# Altium PCB PRO2.PcbDoc (part 1 of 2)
Units mil, origin at the board's own origin, x right, y up, seen from the top; angles counter-clockwise.
Board outline 7000 x 3100 mil, 2 copper layers (Top Layer, Bottom Layer); 103 components, 180 nets, 670 pads, 125 vias.
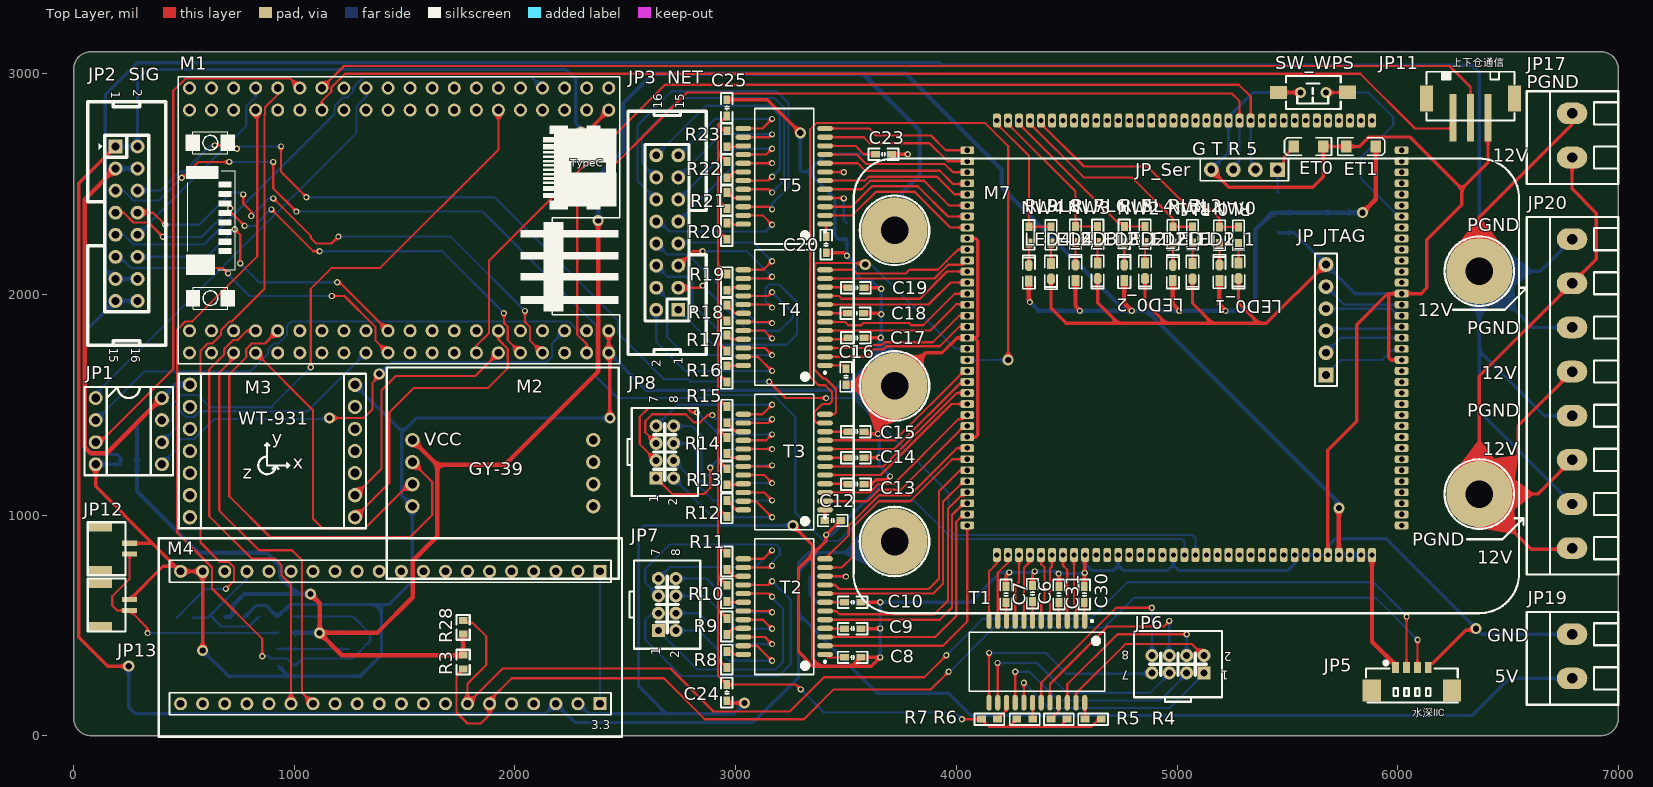
[diagram p0: Top Layer view]
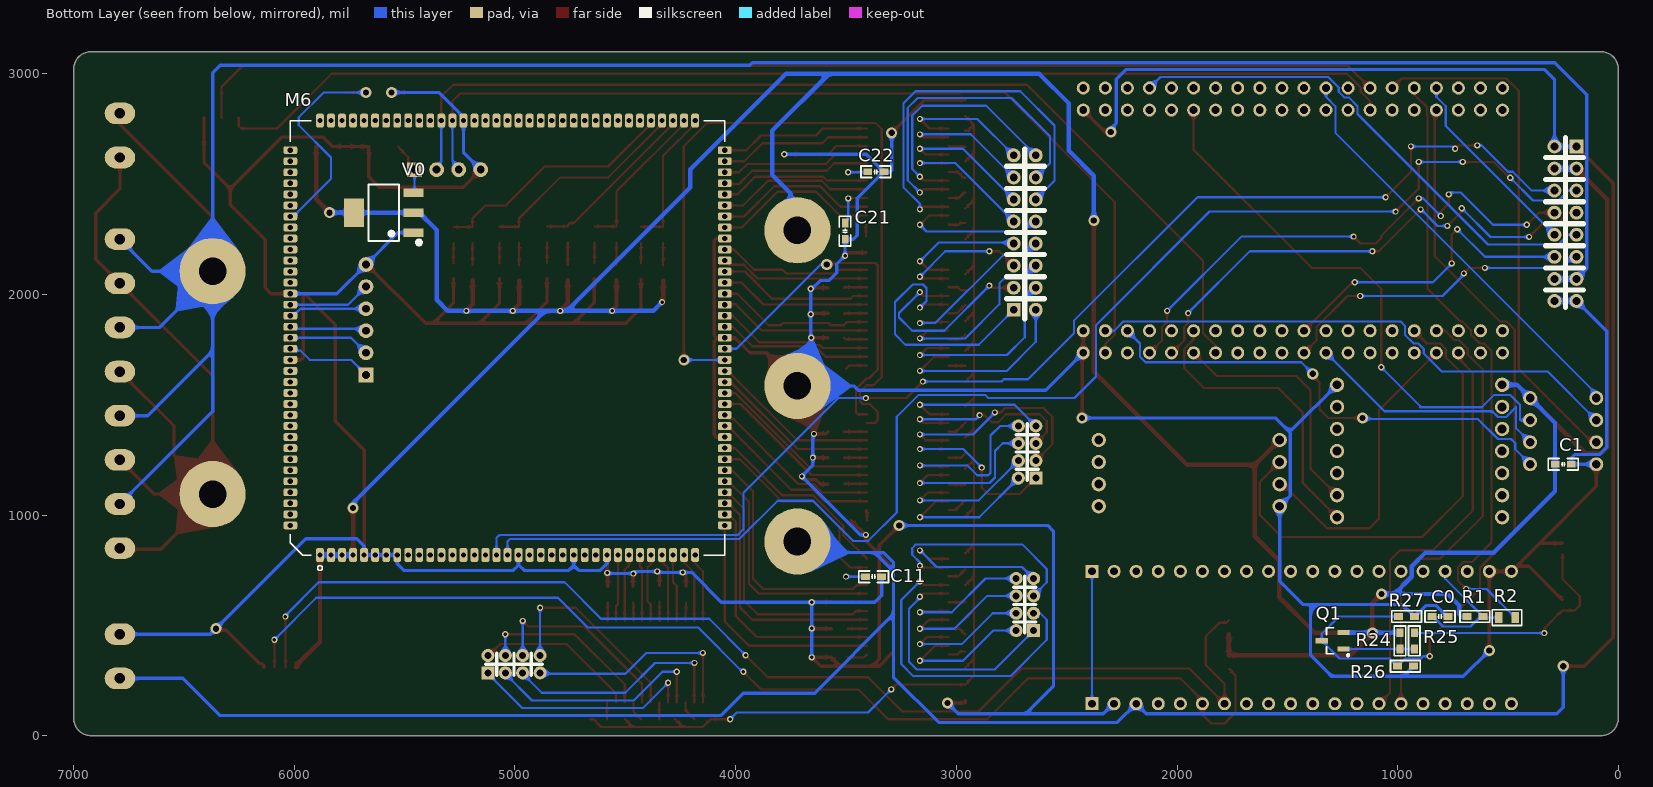
[diagram p1: Bottom Layer view, seen from below]

## Layer stack, top to bottom
Top Solder: solder mask 0.4, Solder Resist, Dk 3.5
Top Layer: signal copper 1.4
Dielectric 1: dielectric 12.6, FR-4, Dk 4.8
Bottom Layer: signal copper 1.4
Bottom Solder: solder mask 0.4, Solder Resist, Dk 3.5

## Board outline
80,0 cw(c80,80) 0,80 0,3020 cw(c80,3020) 80,3100 6920,3100 cw(c6920,3020) 7000,3020 7000,80 cw(c6920,80) 6920,0

## Design rules (kind name [scope] priority, off if disabled: settings)
Clearance [All] p1: gap=6 ignorepadtopadclearanceinfootprint=TRUE
PolygonConnect [All] p1: connectstyle=Relief reliefconductorwidth=10 reliefentries=4 polygonreliefangle="90 Angle" airgapwidth=10
RoutingVias RoutingVias_net [InNetClass('NET')] p1: holewidth=16 width=28 viastyle="Through Hole" minholewidth=12 minwidth=25 maxholewidth=20 maxwidth=35
RoutingVias [All] p2: holewidth=28 width=50 viastyle="Through Hole" minholewidth=12 minwidth=25 maxholewidth=400 maxwidth=1200
SolderMaskExpansion [All] p1: expansion=4
Width Width_gnd [InNet('GND')] p1: maxlimit=40 minlimit=8 preferedwidth=15 minimp=50.000000 maximp=50.000000 favimp=50.000000
Width Width_pgnd [InNet('PGND')] p2: maxlimit=40 minlimit=10 preferedwidth=15 minimp=50.000000 maximp=50.000000 favimp=50.000000
Width Width_5 [InNet('+5')] p3: maxlimit=40 minlimit=10 preferedwidth=15 minimp=50.000000 maximp=50.000000 favimp=50.000000
Width Width_12 [InNet('+12')] p4: maxlimit=40 minlimit=10 preferedwidth=15 minimp=50.000000 maximp=50.000000 favimp=50.000000
Width Width_3.3 [InNet('+3.3')] p5: maxlimit=40 minlimit=10 preferedwidth=20 minimp=50.000000 maximp=50.000000 favimp=50.000000
Width [All] p6: maxlimit=40 minlimit=8 preferedwidth=10 minimp=50.000000 maximp=50.000000 favimp=50.000000
30 further rules are at their usual default settings.

## Classes and differential pairs
component class PRO3: JP17 JP19 JP20 M7
component class PRO2: C6 C7 C8 C9 C10 C11 C12 C13 C14 C15 C16 C17 C18 C19 C20 C21 C22 C23 C24 C25 C30 C31 ET0 ET1 JP3 JP6 JP7 JP8 JP_JTAG JP_Ser LED0_1 LED0_2 LED1_1 LED1_2 LED2_1 LED2_2 LED3_1 LED3_2 LED4_1 LED4_2 M6 R4 R5 R6 R7 R8 R9 R10 R11 R12 R13 R14 R15 R16 R17 R18 R19 R20 R21 R22 R23 RL0 RL1 RL2 RL3 RL4 RL5 RL6 RL7 RL8 RL9 SW_WPS T1 T2 T3 T4 T5 V0
component class PRO1: C0 C1 JP1 JP2 JP5 JP11 JP12 JP13 M1 M2 M3 M4 Q1 R1 R2 R3 R24 R25 R26 R27 R28

## Components (designator, comment, footprint, x,y, rotation, side; value= is the part's Value field where it differs from the comment)
C0 "0.01uF" "C 0603_M" 808.46,540 r0 bottom
C1 "0.1uF" "C 0603_M" 250,1230 r0 bottom
C6 "0.1u" "C 0603_M" 4345.31,644.06 r270 top
C7 "0.1u" "C 0603_M" 4225,640 r270 top
C8 "0.1u" "C 0603_M" 3530,355 r180 top
C9 "0.1u" "C 0603_M" 3530,485 r180 top
C10 "0.1u" "C 0603_M" 3530,605 r180 top
C11 "0.1u" "C 0603_M" 3375,720.79 r0 bottom
C12 "0.1u" "C 0603_M" 3440,975 r180 top
C13 "0.1u" "C 0603_M" 3545.31,1140 r180 top
C14 "0.1u" "C 0603_M" 3545,1259.69 r180 top
C15 "0.1u" "C 0603_M" 3545,1377.8 r180 top
C16 "0.1u" "C 0603_M" 3500,1626.5 r90 top
C17 "0.1u" "C 0603_M" 3545,1803.1 r180 top
C18 "0.1u" "C 0603_M" 3543.15,1914.37 r180 top
C19 "0.1u" "C 0603_M" 3545,2030 r180 top
C20 "0.1u" "C 0603_M" 3410,2225 r90 top
C21 "0.1u" "C 0603_M" 3504.13,2286.5 r90 bottom
C22 "0.1u" "C 0603_M" 3365,2555 r0 bottom
C23 "0.1u" "C 0603_M" 3670,2635 r180 top
C24 "0.01u" "C 0603_M" 2960,195 r270 top
C25 "0.01u" "C 0603_M" 2960,2845 r90 top
C30 "0.1u" "C 0603_M" 4580,640 r270 top
C31 "0.1u" "C 0603_M" 4465,640 r270 top
ET0 "10uF/6.3V" "CD A(3216)" 5595,2670 r0 top
ET1 "22uF/6.3V" "CD A(3216)" 5833.57,2670 r180 top
JP1 "DIP-8插座" DIP-8座 100,1530 r0 top
JP2 "Header 8X2" IDC2.54-LI-2x8P 190,2670 r270 top
JP3 "Header 8X2" IDC2.54-LI-2x8P 2740,1930 r90 top
JP5 "HDR-1X4" "MX 1.25-LS-4P" 6065,220 r0 top
JP6 "水面" PHB2.0-LI-2x4P 5004.37,324.37 r180 top
JP7 "TX2" PHB2.0-LI-2x4P 2689.37,594.37 r90 top
JP8 "预留" PHB2.0-LI-2x4P 2679.37,1285.63 r90 top
JP11 "HDR-1X3" PH2.0-LS-3P 6330,2898.11 r0 top
JP12 "HDR-1X2" GH1.25 253.86,872.05 r270 top
JP13 "HDR-1X2" GH1.25 253.86,617.17 r270 top
JP17 "HDR-1X2" KF128-5.08-2P 6790,2720 r90 top
JP19 "HDR-1X2" KF128-5.08-2P 6790,360 r90 top
JP20 "HDR-1X8" KF128-5.08-8P 6790,1550 r90 top
JP_JTAG "HDR-1X6" HDR2.54-LI-6P 5675,1885 r90 top
JP_Ser "HDR-1X4" HDR2.54-LI-4P 5305,2565 r180 top
LED0_1 "白色" "LED 0603W" 5278.57,2106.1 r270 top
LED0_2 "白色" "LED 0603W" 5192.39,2098.1 r90 top
LED1_1 "红色" "LED 0603R" 5070,2105 r270 top
LED1_2 "红色" "LED 0603R" 4981.43,2096.9 r90 top
LED2_1 "蓝色" "LED 0603B" 4854.74,2106.5 r270 top
LED2_2 "蓝色" "LED 0603B" 4761.18,2098.4 r90 top
LED3_1 "绿色" "LED 0603G" 4640,2106.5 r270 top
LED3_2 "绿色" "LED 0603G" 4540,2098.4 r90 top
LED4_1 "黄色" "LED 0603Y" 4428.57,2104.6 r270 top
LED4_2 "黄色" "LED 0603Y" 4328.57,2096.5 r90 top
M1 "FK750M2-VBT6核心板" FK750M2-VBT6(精简版) 1475,2335 r0 top
M2 "GY-39" GY-39 1535,1340 r0 top
M3 "WT-931" WT-931 526.97,1590 r0 top
M4 "水深解算32" Deep_32 2071,1875 r0 top locked
M6 "HLK7621" HLK7621 5130,1820 r90 bottom locked
M7 "降压模块" 一号电压板 8320,-1070 r90 top locked
Q1 "SS8550" SOT23-3M 1245,430 r90 bottom
R1 "10K" "R 0603_M" 650,540 r0 bottom
R2 "330" "R 0805_L" 505,535 r0 bottom
R3 "RES" 0603R 1765,365 r270 top
R4 "75" "R 0603_M" 4620,75 r0 top
R5 "75" "R 0603_M" 4465,75 r0 top
R6 "75" "R 0603_M" 4310,75 r180 top
R7 "75" "R 0603_M" 4150,75 r180 top
R8 "75" "R 0603_M" 2960,345 r270 top
R9 "75" "R 0603_M" 2960,495 r90 top
R10 "75" "R 0603_M" 2960,645 r90 top
R11 "75" "R 0603_M" 2960,790 r90 top
R12 "75" "R 0603_M" 2960,1030 r270 top
R13 "75" "R 0603_M" 2960,1173.5 r90 top
R14 "75" "R 0603_M" 2960,1315 r90 top
R15 "75" "R 0603_M" 2960,1455 r90 top
R16 "75" "R 0603_M" 2960,1640 r270 top
R17 "75" "R 0603_M" 2960,1780 r270 top
R18 "75" "R 0603_M" 2960,1915 r270 top
R19 "75" "R 0603_M" 2960,2055 r90 top
R20 "75" "R 0603_M" 2960,2286.5 r270 top
R21 "75" "R 0603_M" 2960,2425 r270 top
R22 "75" "R 0603_M" 2960,2565 r90 top
R23 "75" "R 0603_M" 2960,2705 r90 top
R24 "27K" "R 0603_M" 990,430 r270 bottom
R25 "1K" "R 0603_M" 925,430 r90 bottom
R26 "1K" "R 0603_M" 965,315 r0 bottom
R27 "240" "R 0603_M" 960,540 r180 bottom
R28 "RES" 0603R 1765,460 r90 top
RL0 "4.7K" "R 0603_M" 5278.82,2268.1 r90 top
RL1 "4.7K" "R 0603_M" 5192.13,2268.1 r90 top
RL2 "4.7K" "R 0603_M" 5070.26,2270 r90 top
RL3 "4.7K" "R 0603_M" 4981.43,2270 r90 top
RL4 "4.7K" "R 0603_M" 4855,2271.5 r90 top
RL5 "4.7K" "R 0603_M" 4761.18,2271.5 r90 top
RL6 "4.7K" "R 0603_M" 4640.26,2271.5 r90 top
RL7 "4.7K" "R 0603_M" 4539.74,2271.5 r90 top
RL8 "4.7K" "R 0603_M" 4428.57,2269.6 r90 top
RL9 "4.7K" "R 0603_M" 4328.57,2269.6 r90 top
SW_WPS "3x6x5" "TSW SMD-3*6*2.5" 5615,2915 r180 top
T1 "SG24002G" SG24002G 4365,335 r270 top
T2 "SG24002G" SG24002G 3220,585 r180 top
T3 "SG24002G" SG24002G 3220,1240 r180 top
T4 "SG24002G" SG24002G 3220,1894.68 r180 top
T5 "SG24002G" SG24002G 3220,2535 r180 top
V0 "AMS1117-3V3" SOT223_M 5595,2370 r90 bottom

## Footprints (in the part's own frame and the unit in brackets; to place one, negate y for a bottom-side part, rotate by r counter-clockwise, add the part's x,y. Pads: shape width x height; smd on the part's side, far side on the other; paste and mask are expansions set on the pad)
0603R [mm]
  rect 0.8x0.965 smd: 1(0,0) 2(1.6,0)
  silkscreen extent -0.63,-0.76 2.21,0.76, body extent -0.04,-0.41 1.56,0.41, height 0.45
"C 0603_M" [mil] "无极性贴片电容"
  rect 40x30 smd: 1(-36.5,0) 2(36.5,0)
  silkscreen extent -68,-26 68,26, body extent -31,-16 31,16, height 32
"CD A(3216)" [mm] "长3.2mm，宽1.6mm，厚1.6mm"
  rect 1.2x1.4 smd: 1(-1.7,0) 2(1.7,0)
  silkscreen extent -2.74,-1.02 2.67,1.02, body extent -1.6,-0.8 1.6,0.8, height 1.6
Deep_32 [mm]
  rect 1.5x1.5 hole 0.9: 1(7.976,-28.702) 40(7.976,-43.942)
  round 1.5 hole 0.9: 2(5.436,-28.702) 3(2.896,-28.702) 4(0.356,-28.702) 5(-2.184,-28.702) 6(-4.724,-28.702) 7(-7.264,-28.702) 8(-9.804,-28.702) 9(-12.344,-28.702) 10(-14.884,-28.702) 11(-17.424,-28.702) 12(-19.964,-28.702) 13(-22.504,-28.702) 14(-25.044,-28.702) 15(-27.584,-28.702) 16(-30.124,-28.702) 17(-32.664,-28.702) 18(-35.204,-28.702) 19(-37.744,-28.702) 20(-40.284,-28.702) 21(-40.284,-43.942) 22(-37.744,-43.942) 23(-35.204,-43.942) 24(-32.664,-43.942) 25(-30.124,-43.942) 26(-27.584,-43.942) 27(-25.044,-43.942) 28‘(-22.504,-43.942) 29(-19.964,-43.942) 30(-17.424,-43.942) 31(-14.884,-43.942) 32(-12.344,-43.942) 33(-9.804,-43.942) 34(-7.264,-43.942) 35(-4.724,-43.942) 36(-2.184,-43.942) 37(0.356,-43.942) 38(2.896,-43.942) 39(5.436,-43.942)
  silkscreen extent -42.8,-47.75 10.52,-24.89
DIP-8座 [mm]
  round 1.6 hole 1: 1(0,0) 2(0,-2.54) 3(0,-5.08) 4(0,-7.62) 5(7.62,-7.62) 6(7.62,-5.08) 7(7.62,-2.54) 8(7.62,0)
  silkscreen extent -1.27,-8.89 8.89,1.27
FK750M2-VBT6(精简版) [mm]
  round 1.5 hole 0.9: 1(24.13,-12.7) 2(24.13,-15.24) 3(21.59,-12.7) 4(21.59,-15.24) 5(19.05,-12.7) 6(19.05,-15.24) 7(16.51,-12.7) 8(16.51,-15.24) 9(13.97,-12.7) 10(13.97,-15.24) 11(11.43,-12.7) 12(11.43,-15.24) 13(8.89,-12.7) 14(8.89,-15.24) 15(6.35,-12.7) 16(6.35,-15.24) 17(3.81,-12.7) 18(3.81,-15.24) 19(1.27,-12.7) 20(1.27,-15.24) 21(-1.27,-12.7) 22(-1.27,-15.24) 23(-3.81,-12.7) 24(-3.81,-15.24) 25(-6.35,-12.7) 26(-6.35,-15.24) 27(-8.89,-12.7) 28(-8.89,-15.24) 29(-11.43,-12.7) 30(-11.43,-15.24) 31(-13.97,-12.7) 32(-13.97,-15.24) 33(-16.51,-12.7) 34(-16.51,-15.24) 35(-19.05,-12.7) 36(-19.05,-15.24) 37(-21.59,-12.7) 38(-21.59,-15.24) 39(-24.13,-12.7) 40(-24.13,-15.24) 41(24.13,15.24) 42(24.13,12.7) 43(21.59,15.24) 44(21.59,12.7) 45(19.05,15.24) 46(19.05,12.7) 47(16.51,15.24) 48(16.51,12.7) 49(13.97,15.24) 50(13.97,12.7) 51(11.43,15.24) 52(11.43,12.7) 53(8.89,15.24) 54(8.89,12.7) 55(6.35,15.24) 56(6.35,12.7) 57(3.81,15.24) 58(3.81,12.7) 59(1.27,15.24) 60(1.27,12.7) 61(-1.27,15.24) 62(-1.27,12.7) 63(-3.81,15.24) 64(-3.81,12.7) 65(-6.35,15.24) 66(-6.35,12.7) 67(-8.89,15.24) 68(-8.89,12.7) 69(-11.43,15.24) 70(-11.43,12.7) 71(-13.97,15.24) 72(-13.97,12.7) 73(-16.51,15.24) 74(-16.51,12.7) 75(-19.05,15.24) 76(-19.05,12.7) 77(-21.59,15.24) 78(-21.59,12.7) 79(-24.13,15.24) 80(-24.13,12.7)
  silkscreen extent -25.4,-16.51 25.4,16.51, body extent -25.4,-16.51 25.4,16.51, height 8.36
GH1.25 [mm]
  rect 1x2.8 smd: 0(-1.85,-3.4) 0(3.1,-3.4)
  rect 0.6x1.7 smd: 1(0,0) 2(1.25,0)
  silkscreen extent -2.41,-4.83 3.68,-0.48
GY-39 [mil]
  round 65 hole 40: 1(0,0) 2(0,-100) 3(0,-200) 4(0,-300) 5(820,-300) 6(820,-200) 7(820,-100) 8(820,0)
  silkscreen extent -116,-628 936,328
HDR2.54-LI-4P [mm] "排针，4脚"
  rect 1.7x1.7 hole 0.9: 1(-3.81,0)
  round 1.7 hole 0.9: 2(-1.27,0) 3(1.27,0) 4(3.81,0)
  silkscreen extent -5.08,-1.27 5.08,1.27, body extent -5.08,-1.27 5.08,1.27, height 8.5
HDR2.54-LI-6P [mm] "排针，6脚"
  rect 1.7x1.7 hole 0.9: 1(-6.35,0)
  round 1.7 hole 0.9: 2(-3.81,0) 3(-1.27,0) 4(1.27,0) 5(3.81,0) 6(6.35,0)
  silkscreen extent -7.62,-1.27 7.62,1.27, body extent -7.62,-1.27 7.62,1.27, height 8.5
HLK7621 [mm]
  rrect50% 1.6x0.9 hole 0.6: 1(-25.429,19.141) 2(-25.429,17.871) 3(-25.429,16.601) 4(-25.429,15.331) 5(-25.429,14.061) 6(-25.429,12.791) 7(-25.429,11.521) 8(-25.429,10.251) 9(-25.429,8.981) 10(-25.429,7.711) 11(-25.429,6.441) 12(-25.429,5.171) 13(-25.429,3.901) 14(-25.429,2.631) 15(-25.429,1.361) 16(-25.429,0.091) 17(-25.429,-1.179) 18(-25.429,-2.449) 19(-25.429,-3.719) 20(-25.429,-4.989) 21(-25.429,-6.259) 22(-25.429,-7.529) 23(-25.429,-8.799) 24(-25.429,-10.069) 25(-25.429,-11.339) 26(-25.429,-12.609) 27(-25.429,-13.879) 28(-25.429,-15.149) 29(-25.429,-16.419) 30(-25.429,-17.689) 31(-25.429,-18.959) 32(-25.429,-20.229) 33(-25.429,-21.499) 34(-25.429,-22.769) 35(-25.429,-24.039) 71(24.571,-24.039) 72(24.571,-22.769) 73(24.571,-21.499) 74(24.571,-20.229) 75(24.571,-18.959) 76(24.571,-17.689) 77(24.571,-16.419) 78(24.571,-15.149) 79(24.571,-13.879) 80(24.571,-12.609) 81(24.571,-11.339) 82(24.571,-10.069) 83(24.571,-8.799) 84(24.571,-7.529) 85(24.571,-6.259) 86(24.571,-4.989) 87(24.571,-3.719) 88(24.571,-2.449) 89(24.571,-1.179) 90(24.571,0.091) 91(24.571,1.361) 92(24.571,2.631) 93(24.571,3.901) 94(24.571,5.171) 95(24.571,6.441) 96(24.571,7.711) 97(24.571,8.981) 98(24.571,10.251) 99(24.571,11.521) 100(24.571,12.791) 101(24.571,14.061) 102(24.571,15.331) 103(24.571,16.601) 104(24.571,17.871) 105(24.571,19.141)
  rrect50% 0.9x1.6 hole 0.6: 36(-22.019,-27.449) 37(-20.749,-27.449) 38(-19.479,-27.449) 39(-18.209,-27.449) 40(-16.939,-27.449) 41(-15.669,-27.449) 42(-14.399,-27.449) 43(-13.129,-27.449) 44(-11.859,-27.449) 45(-10.589,-27.449) 46(-9.319,-27.449) 47(-8.049,-27.449) 48(-6.779,-27.449) 49(-5.509,-27.449) 50(-4.239,-27.449) 51(-2.969,-27.449) 52(-1.699,-27.449) 53(-0.429,-27.449) 54(0.841,-27.449) 55(2.111,-27.449) 56(3.381,-27.449) 56(3.381,-27.449) 57(4.651,-27.449) 58(5.921,-27.449) 59(7.191,-27.449) 60(8.461,-27.449) 61(9.731,-27.449) 62(11.001,-27.449) 63(12.271,-27.449) 64(13.541,-27.449) 65(14.811,-27.449) 66(16.081,-27.449) 67(17.351,-27.449) 68(18.621,-27.449) 69(19.891,-27.449) 70(21.161,-27.449) 106(21.161,22.551) 107(19.891,22.551) 108(18.621,22.551) 109(17.351,22.551) 110(16.081,22.551) 111(14.811,22.551) 112(13.541,22.551) 113(12.271,22.551) 114(11.001,22.551) 115(9.731,22.551) 116(8.461,22.551) 117(7.191,22.551) 118(5.921,22.551) 119(4.651,22.551) 120(3.381,22.551) 121(2.111,22.551) 122(0.841,22.551) 123(-0.429,22.551) 124(-1.699,22.551) 125(-2.969,22.551) 126(-4.239,22.551) 127(-5.509,22.551) 128(-6.779,22.551) 129(-8.049,22.551) 130(-9.319,22.551) 131(-10.589,22.551) 132(-11.859,22.551) 133(-13.129,22.551) 134(-14.399,22.551) 135(-15.669,22.551) 136(-16.939,22.551) 137(-18.209,22.551) 138(-19.479,22.551) 139(-20.749,22.551) 140(-22.019,22.551)
  silkscreen extent -27.21,-27.45 24.57,22.55
IDC2.54-LI-2x8P [mm] "16P简易牛角座"
  rect 1.6x1.6 hole 0.9: 1(0,0)
  round 1.6 hole 0.9: 2(0,2.54) 3(2.54,0) 4(2.54,2.54) 5(5.08,0) 6(5.08,2.54) 7(7.62,0) 8(7.62,2.54) 9(10.16,0) 10(10.16,2.54) 11(12.7,0) 12(12.7,2.54) 13(15.24,0) 14(15.24,2.54) 15(17.78,0) 16(17.78,2.54)
  silkscreen extent -5.14,-3.2 22.89,5.8, body extent -5.08,-3.08 22.86,5.77, height 9.17
KF128-5.08-2P [mm] "螺钉式接线端子，脚距5.08mm"
  oval 2.5x3.5 hole 1.2: 1(-2.54,0) 2(2.54,0)
  silkscreen extent -5.59,-5.31 5.08,5.21, body extent -5.58,-5.3 5.08,5.2, height 14.15
KF128-5.08-8P [mm] "螺钉式接线端子，脚距5.08mm"
  oval 2.5x3.5 hole 1.2: 1(-17.78,0) 2(-12.7,0) 3(-7.62,0) 4(-2.54,0) 5(2.54,0) 6(7.62,0) 7(12.7,0) 8(17.78,0)
  silkscreen extent -20.83,-5.31 20.32,5.21, body extent -20.82,-5.3 20.32,5.2, height 14.15
"LED 0603B" [mil] "蓝色0603LED"
  rect 50x35 smd: 1(-35,0.26)
  oct 50x35 smd: 2(35,0.26)
  silkscreen extent -71,-28 81,28, body extent -31,-16 32,16, height 24
"LED 0603G" [mil] "绿色0603LED"
  rect 50x35 smd: 1(-35,0.26)
  oct 50x35 smd: 2(35,0.26)
  silkscreen extent -71,-28 81,28, body extent -31,-16 32,16, height 18
"LED 0603R" [mil] "红色0603LED"
  rect 50x35 smd: 1(-35,0.26)
  oct 50x35 smd: 2(35,0.26)
  silkscreen extent -71,-28 81,28, body extent -31,-16 31,16, height 18
"LED 0603W" [mil] "白色0603LED"
  rect 50x35 smd: 1(-35,0.26)
  oct 50x35 smd: 2(35,0.26)
  silkscreen extent -71,-28 81,28, body extent -31,-16 32,16, height 18
"LED 0603Y" [mil] "黄色0603LED"
  rect 50x35 smd: 1(-35,0)
  oct 50x35 smd: 2(35,0)
  silkscreen extent -71,-28 81,28, body extent -32,-16 31,16, height 18
"MX 1.25-LS-4P" [mm] "长：9.75m，宽：3.7mm，高：4.7mm"
  rect 2.1x2.5 smd: 0(-4.632,-0.381) 0(4.604,-0.381)
  rect 0.8x1.3 smd: 1(-1.889,2.261) 2(-0.639,2.261) 3(0.611,2.261) 4(1.861,2.261)
  silkscreen extent -5.29,-1.78 5.27,2.99, body extent -5.07,-1.6 5.07,2.5, height 4.7
PH2.0-LS-3P [mm] "长：10mm，宽：5.5mm，高：6.1mm"
  rect 1.5x3 smd: 0(-5.064,-0.254) 0(5.064,-0.254)
  rect 0.8x5.5 smd: 1(-2,-2.492) 2(0,-2.492) 3(2,-2.492)
  silkscreen extent -5.06,-2.79 5.06,2.79, body extent -5,-5.05 5,2.75, height 6.15
PHB2.0-LI-2x4P [mm] "长：10mm，宽：7.3mm，高：7.8mm"
  rect 1.5x1.5 hole 0.8: 1(-3,1)
  round 1.5 hole 0.8: 2(-3,-1) 3(-1,1) 4(-1,-1) 5(1,1) 6(1,-1) 7(3,1) 8(3,-1)
  silkscreen extent -5.08,-3.81 5.08,4.32, body extent -5,-3.65 5,4.25, height 7.83
"R 0603_M" [mil] "1/10W贴片电阻"
  rect 40x31.5 smd: 1(-36.5,0) 2(36.5,0)
  silkscreen extent -68,-26 68,26, body extent -31,-16 31,16, height 16
"R 0805_L" [mil] "1/8W贴片电阻"
  rect 35x50 smd: 1(-37.4,0) 2(37.4,0)
  silkscreen extent -67,-36 67,36, body extent -39,-25 39,25, height 20
SG24002G [mm] "SOP, 24-Leads, Body 15.10x7.10mm, Pitch 1.00mm, IPC Medium Density"
  oval 1.8x0.6 smd: 1(-4.7,5.5) 2(-4.7,4.5) 3(-4.7,3.5) 4(-4.7,2.5) 5(-4.7,1.5) 6(-4.7,0.5) 7(-4.7,-0.5) 8(-4.7,-1.5) 9(-4.7,-2.5) 10(-4.7,-3.5) 11(-4.7,-4.5) 12(-4.7,-5.5) 13(4.7,-5.5) 14(4.7,-4.5) 15(4.7,-3.5) 16(4.7,-2.5) 17(4.7,-1.5) 18(4.7,-0.5) 19(4.7,0.5) 20(4.7,1.5) 21(4.7,2.5) 22(4.7,3.5) 23(4.7,4.5) 24(4.7,5.5)
  silkscreen extent -4.82,-7.8 3.4,7.8, body extent -3.8,-7.8 3.8,7.8, height 4.5
SOT23-3M [mm] "3x1.3x1mm(长宽高)"
  rect 0.6x1.4 smd: 1(-0.95,0) 2(0.95,0) 3(0,2.514)
  silkscreen extent -1.78,-0.63 1.5,1.97, body extent -1.5,0.07 1.5,2.47, height 1.05
SOT223_M [mm] "6.4x7x1.6mm(长宽高)"
  rect 0.95x2.3 smd: 1(-2.3,-3.429) 2(0,-3.429) 3(2.3,-3.429)
  rect 3.3x2.3 smd: 2(0,3.429)
  silkscreen extent -3.63,-4.26 3.25,1.75, body extent -3.25,-3.51 3.25,3.51, height 1.65
"TSW SMD-3*6*2.5" [mm] "3*6*2.5mm"
  rect 2x1.5 smd: 1(-3.996,-0.02) 2(3.937,0)
  silkscreen extent -3.21,-1.9 3.09,1.9, body extent -4,-1.88 4,1.62, height 2.59
WT-931 [mil]
  round 65 hole 40: 1(0,0) 2(0,-100) 3(0,-200) 4(0,-300) 5(0,-400) 6(0,-500) 7(0,-600) 8(748.03,-600) 9(748.03,-500) 10(748.03,-400) 11(748.03,-300) 12(748.03,-200) 13(748.03,-100) 14(748.03,0)
  silkscreen extent -50,-650 798,50
一号电压板 [mil]
  round 300 hole 125: 1(1950,4600) 2(2655,4600) 3(3360,4600) 4(2165,1950) 5(3175,1950)
  silkscreen extent 1625,1770 3685,4786, body extent 1844,1857 3466,4693, height 593

## Part data
C0 C1 C6 C7 C8 C9 C10 C11 C12 C13 C14 C15 C16 C17 C18 C19 C20 C21 C22 C23 C24 C25 C30 C31: library part C, "无极性贴片电容"
  C0 C1 C6 C13: BOM名称=无极性贴片电容, 学习资源=www.ooocke.com, 版权归属=源创客
ET0 ET1: library part C-CD, "贴片钽电容"
JP2 JP3: "8*2P接插件", BOM名称=8*2P接, 学习资源=www.ooocke.
JP5 JP_Ser: library part "Header 4", "4P接插件"
  JP5: BOM名称=4P接, 学习资源=www.ooocke.
  JP_Ser: BOM名称=4P接插件, 学习资源=www.ooocke.com, 版权归属=源创客
JP6 JP7 JP8: library part "Header 4X2", "4*2P接插件", BOM名称=4*2P接, 学习资源=www.ooocke.
JP11: library part "Header 3", "3P接插件", BOM名称=3P接, 学习资源=www.ooocke.
JP12 JP13 JP17 JP19: library part "Header 2", "2P接插件"
  JP12 JP13: BOM名称=2P接, 学习资源=www.ooocke.
JP20: library part "Header 8", "8P接插件"
JP_JTAG: library part "Header 6", "6P接插件", BOM名称=6P接插件, 学习资源=www.ooocke.com, 版权归属=源创客
LED0_1 LED0_2 LED1_1 LED1_2 LED2_1 LED2_2 LED3_1 LED3_2 LED4_1 LED4_2: library part LED-SMD, "贴片LED", BOM名称=贴片LED, 学习资源=www.ooocke.com, 版权归属=源创客
M1: library part FK750M2-VBT6
M2: "气压温湿度光强传感器"
M3: "WT-931姿态角度传感器"
M4: library part Deep_32, "水深传感器解算用的stm32模块"
M7: library part 一号电压板
Q1: library part 8550-SMD, "高频放大-PNP型", BOM名称=高频放大, 学习资源=www.ooocke., 属性="40V 1.5A 1W 100MH"
R1 R2 R4 R5 R6 R7 R8 R9 R10 R11 R12 R13 R14 R15 R16 R17 R18 R19 R20 R21 R22 R23 R24 R25 R26 R27 RL0 RL1 RL2 RL3 RL4 RL5 RL6 RL7 RL8 RL9: library part R, "贴片电阻"
SW_WPS: library part "TSW 3x6", "3x6轻触开关", BOM名称=3x6轻触开关, 学习资源=www.ooocke.com, 版权归属=源创客
V0: library part AMS1117, "三端稳压芯片", BOM名称=稳压芯片, 学习资源=www.ooocke.com, 版权归属=源创客

## Via types
v1: diameter 28, hole 16, Top Layer to Bottom Layer, 106 vias
v2: diameter 50, hole 28, Top Layer to Bottom Layer, 19 vias

## Nets (pads, with @x,y where several pads share a name; then routed paths per layer and width w, separated by ;. In a path a pad name is that pad's centre, name@x,y a point inside that pad or via, vN(x,y) a via of type N, cw(c..) or ccw(c..) an arc to the next point about the centre after c; other vN are vias at no path point)
+3.3: C1.2 ET1.1 JP1.8 JP2.3 JP2.4 JP5.1 LED0_2.1 LED1_2.1 LED2_2.1 LED3_2.1 LED4_2.1 M2.1 M3.1 M6.1 M6.2 M6.3 M6.4 M7.3 Q1.2 R1.2 R3.1 R24.1 R28.1 V0.2 | length 17444
  Top Layer w20: JP2.3@190,2570 50,2430 50,1307 77,1280 150,1280 JP1.8@400,1530 ; v2(1073,642) 1115,600 v2(1115,465) 1215,365 R3.1@1765,365 R28.1@1765,460 ; v2@1131,467.4 1377.4,467.4 1537,627 1537,793 1648,904 1648,1227 ; M2.1@1535,1340 1648,1227 ; v2(2377,2335) 2377,1650.5 1953.5,1227 1648,1227 ; LED4_2.1@4328.57,2061.5 4328.57,1972.16 4333.57,1967.16 v1(4333.57,1965) ; LED3_2.1@4539.74,2063.4 4539.74,1947.42 4560,1927.16 v1(4560,1925) ; LED2_2.1@4760.92,2063.4 4760.92,1959.08 v1(4795,1925) ; LED1_2.1@4981.17,2061.9 4981.17,1955.99 5010,1927.16 v1(5010,1925) ; LED0_2.1@5192.13,2063.1 5192.13,1955.03 5220,1927.16 v1(5220,1925) ; M6.4@5733.57,818.85 5733.57,1031.02 v2(5734,1031.46) ; v2(5840,2370) 5900.5,2430.5 ET1.1@5900.5,2670 ; M6.1@5883.57,818.85 5883.57,425.91 5990.64,318.84 JP5.1@5990.64,309
  Bottom Layer w20: JP2.3@190,2570 JP2.4@290,2570 ; M3.1@526.97,1590 460,1590 JP1.8@400,1530 287.4,1417.4 287.4,1107.6 565,830 874,830 937,767 937,720 1015,642 ; R1.2@686.5,540 711,540 721,550 721,590 773,642 1015,642 ; 1073,467 R24.1@990.5,467 ; v2(1073,642) 1015,642 ; Q1.2@1245,467.4 990.9,467.4 R24.1@990.5,467 ; v2(2377,2335) 2377,2537.56 2490,2650.56 2490,2865 2625,3000 3576.5,3000 ; M7.3@3720,2290 3751.84,2321.84 3751.84,2458.28 3835,2541.44 3835,2741.5 3576.5,3000 ; v1(4333.57,1965) 4373.57,1925 v1(4560,1925) 4765,1925 ; M6.4@5733.57,818.85 M6.3@5783.57,818.85 M6.2@5833.57,818.85 M6.1@5883.57,818.85 ; v2(5734,1031.46) 5734,1055 4864,1925 ; v2(5840,2370) V0.2@5730,2370 V0.2@5460,2370 5433.43,2370 5355,2291.57 5355,1975 5305,1925 v1(5220,1925) v1(5010,1925) 4864,1925 ; R24.1@990.5,467 990,467 R24.1@990,466.5 R24.1@990.5,467 ; 3576.5,3000 3771.9,3000 4205,2566.9 4205,2485 4765,1925 ; 4765,1925 v1(4795,1925) 4864,1925
+5: JP2.1 JP2.2 JP19.1 M1.42 M4.38 M7.1 | length 13667.7
  Top Layer w15: JP2.1@190,2670 24,2504 24,446 155,315 v2(250,315) ; v2(2300,2735) 2325,2735 M1.42@2425,2835
  Bottom Layer w15: JP2.1@190,2670 JP2.2@290,2670 290,2974 335,3019 2230,3019 2275,2974 2275,2776.26 2300,2751.26 v2(2300,2735) ; v2(250,315) 250,129 280,99 2139,99 M4.38@2185,145 2270,60 3080,60 3285,265 3285,550 ; M7.1@3720,880 3670,830 3370,830 ; JP19.1@6790,260 6505.05,260 6337.05,92 5964,92 4066,92 3965,193 3642,193 3285,550 ; 3285,550 3285,745 ; 3285,745 3285,787 3328,830 3370,830 ; 3285,745 3370,830
+5T: ET0.1 JP_Ser.1 V0.3 | length 241.8
  Top Layer w10: JP_Ser.1@5455,2565 5483.46,2593.46 5483.46,2621.46 5528.07,2666.06 ET0.1@5528.07,2670
  Bottom Layer w10: JP_Ser.1@5455,2565 5455,2465.55 V0.3@5460,2460.55
+12: JP17.1 JP20.1 JP20.3 JP20.5 JP20.7 M7.4 | length 3558.9
  Top Layer w15: JP20.1@6790,850 6785,845 6605,845 6355,1095 6635,1095 JP20.3@6790,1250 ; JP20.5@6790,1650 6545,1405 6545,1270 M7.4@6370,1095 6370,1615 6370,1630 JP20.7@6790,2050 6900,2160 6900,2367.83 6790,2477.83 JP17.1@6790,2620
"BK1 C\S\": JP1.1 M1.63 | length 1912.4
  Bottom Layer w10: JP1.1@100,1530 100,1550 1282.47,2732.47 1282.47,2852.62 1325,2895.14 M1.63@1325,2935
"BK1 CLK": JP1.6 M1.24 | length 1190.8
  Bottom Layer w10: JP1.6@400,1330 463.47,1393.47 463.47,1490.85 481.47,1472.85 481.47,1471.15 508.12,1444.5 545.81,1444.5 571.31,1470 ; 572.47,1471.15 571.31,1470 ; M1.24@1325,1735 1060,1470 571.31,1470
"BK1 DI(IO0)": JP1.5 M1.5 | length 2203
  Top Layer w10: v2(1160,1440) 1315,1440 1355,1480 1355,1600 1385,1630 v2(1385,1640)
  Bottom Layer w10: JP1.5@400,1230 467.6,1297.6 467.6,1325 487.1,1344.5 545.81,1344.5 636.81,1435.5 1155.5,1435.5 v2(1160,1440) ; v2(1385,1640) 1437.47,1692.47 2142.62,1692.47 2167.53,1717.38 2167.53,1777.53 M1.5@2225,1835
"BK1 DO(IO1)": JP1.2 M1.3 | length 2463.4
  Bottom Layer w10: JP1.2@100,1430 320,1650 800.14,1650 882.47,1732.33 882.47,1752.62 907.38,1777.53 927.67,1777.53 967.53,1817.38 967.53,1857.58 987.47,1877.53 2242.62,1877.53 2285.14,1835 M1.3@2325,1835
"BK1 H\O\L\D\(IO3)": JP1.7 M1.52 | length 2510
  Top Layer w10: v1(1075,1670) 1075,2024.86 1170.14,2120 1390,2120 1925,2655 M1.52@1925,2835
  Bottom Layer w10: JP1.7@400,1430 445.47,1430 445.47,1498.3 491.66,1544.5 562.27,1544.5 618.77,1488 898,1488 898,1493 v1(1075,1670)
"BK1 W\P\(IO2)": JP1.3 M1.69 | length 2363.2
  Top Layer w10: JP1.3@100,1330 120,1330 452,1662 452,2922.14 507.38,2977.53 982.47,2977.53 M1.69@1025,2935
GND: C0.1 C1.1 C6.1 C7.1 C8.1 C9.1 C10.1 C11.1 C12.1 C13.1 C14.1 C15.1 C16.1 C17.1 C18.1 C19.1 C20.1 C21.1 C22.1 C23.1 C24.2 C25.2 C30.1 C31.1 ET0.2 ET1.2 JP1.4 JP2.15 JP2.16 JP5.4 JP11.3 JP12.1 JP13.1 JP19.2 JP_JTAG.6 JP_Ser.4 LED0_1.2 LED1_1.2 LED2_1.2 LED3_1.2 LED4_1.2 M1.1 M1.2 M2.4 M3.14 M4.19 M4.20 M4.39 M6.5 M6.6 M6.7 M6.8 M6.19 M6.24 M6.27 M6.44 M6.53 M6.62 M6.92 M6.119 M6.125 M7.2 R26.1 R27.2 SW_WPS.2 V0.1 | length 31943.1
  Top Layer w15: JP1.4@100,1230 100,1130 355,875 ; JP13.1@253.86,617.17 405.15,768.46 461.54,768.46 ; JP12.1@253.86,872.05 352.05,872.05 355,875 ; v2(585,386) M4.19@585,745 M4.20@485,745 461.54,768.46 ; M1.1@2425,1835 M1.2@2425,1735 2430,1730 v2(2430,1440) ; C24.2@2960,158.5 2960,148 v2(3040,148) ; C25.2@2960,2881.5 2960,2882 3143,2882 v2(3293,2732) ; v2(3259,953) 3349,863 3349,822.5 ; C20.1@3410,2188.5 3490.63,2188.5 v1(3504.13,2175) ; C12.1@3476.5,975 3411.5,910 v1(3410,910) 3410,883.5 3349,822.5 ; C16.1@3500,1590 M7.2@3715,1590 ; C9.1@3566.5,485 3653.43,485 v1(3655,486.57) ; C10.1@3566.5,605 3654.69,605 v1(3655,604.69) ; C18.1@3579.65,1914.37 3652.11,1914.37 3656.48,1910 v1(3660,1910) ; C14.1@3581.5,1259.69 3581.81,1260 v1(3650,1260) ; C15.1@3581.5,1377.8 3591.5,1367.8 v1(3645,1367.8) 3645,1510 M7.2@3720,1585 M7.2@3715,1590 ; C17.1@3581.5,1803.1 v1(3657.55,1803.1) ; C19.1@3581.5,2030 3655,2030 v1(3660,2025) ; C13.1@3581.81,1140 3616.01,1140 3617.58,1141.57 3636.51,1160.5 3685.5,1160.5 v1(3700,1175) ; C23.1@3706.5,2635 v1(3780,2635) ; M6.44@4049.31,1353.1 4087.1,1353.1 4097,1363 4097,1787 4080.9,1803.1 ; M6.62@4049.31,2253.1 4087,2253.1 4097,2243.1 4097,1813.1 4087,1803.1 4080.9,1803.1 ; C7.1@4225,676.5 4225,725 v1(4240,740) ; C6.1@4345.31,680.56 4345.31,731.03 4355,740.71 v1(4355,744.23) ; LED4_1.2@4428.57,2069.6 4428.57,1938.82 4495,1872.39 4495,1868.79 4733.57,1868.79 ; v1(4463.43,735) 4465,733.43 C31.1@4465,676.5 ; C30.1@4580,676.5 4580,736.3 v1(4581.54,737.83) 4581.54,816.82 M6.27@4583.57,818.85 ; LED3_1.2@4640.26,2071.5 4640.26,1962.1 4733.57,1868.79 ; LED2_1.2@4855,2071.5 4855,1963.79 4950,1868.79 ; LED1_1.2@5070.26,2070 5070.26,1958.53 5160,1868.79 ; JP_Ser.4@5155,2565 5235,2485 5615,2485 5661.93,2531.93 ET0.2@5661.93,2670 ET1.2@5766.64,2670 5827.39,2670 5870.45,2713.06 6055.08,2713.06 6290.31,2477.83 ; LED0_1.2@5278.82,2071.1 5278.82,1959.96 5370,1868.79 ; SW_WPS.2@5460,2915 v2(5560,2915) ; JP_JTAG.6@5675,2135 5671.21,2135 5405,1868.79 5370,1868.79 ; M6.5@5683.57,818.85 5683.57,1293.57 5815,1425 5815,1863.1 5955.95,2004.05 ; M6.125@6017.82,1703.1 5968.79,1703.1 5960,1711.89 5960,2000 5963.1,2003.1 M6.119@6017.82,2003.1 6106,2003.1 6132,2029.1 6132,2247 6290.31,2405.31 6290.31,2477.83 ; JP5.4@6138.28,309 6138.28,318.84 6146.52,327.09 6156.37,327.09 6307.58,478.3 6348.3,478.3 v2(6355,485) ; JP11.3@6408.74,2800 6408.74,2596.27 6290.31,2477.83 ; 355,875 461.54,768.46 ; 3349,822.5 3285,758.5 3285,380 3350,315 3381,315 ; 3349,822.5 3349,347 3381,315 ; 3381,315 3526.5,315 ; 3526.5,315 3615,315 v1(3655,355) C8.1@3566.5,355 3526.5,315 ; M7.2@3715,1590 3860,1735 3935,1735 4003.1,1803.1 M6.53@4049.31,1803.1 4080.9,1803.1 ; 4733.57,1868.79 4950,1868.79 ; 4950,1868.79 5160,1868.79 ; 5160,1868.79 5370,1868.79
  Bottom Layer w15: JP1.4@100,1230 212.6,1230 212.6,1260.4 199,1274 86,1274 53,1307 53,1833 JP2.15@190,1970 JP2.16@290,1970 ; v2(585,386) 702,269 974.5,269 ; C0.1@771.96,540 776.96,540 825,588.04 825,590 873.5,590 R27.2@923.5,540 978.5,595 985,595 ; R26.1@928.5,315 974.5,269 ; 961,571 985,595 ; M3.14@1275,1590 1477,1388 1503,1388 ; M4.39@2285,145 2289,145 2335,99 2685,99 ; M1.2@2425,1735 2595,1565 3445,1565 3465,1585 M7.2@3720,1585 3645,1660 3657.55,1672.55 v1(3657.55,1803.1) 3660,1805.55 v1(3660,1910) v1(3660,2025) 3654.13,2025 3616.63,2062.5 3577.5,2062.5 3541.63,2098.37 3541.63,2137.5 v1(3504.13,2175) C21.1@3504.13,2250 3467,2250 3448.5,2268.5 3448.5,2435 C22.1@3328.5,2555 ; v2(2430,1440) 1555,1440 1503,1388 ; v2(3040,148) 2991,99 2685,99 ; v2(3259,953) 2586,953 2560,927 2560,224 2685,99 ; v2(3293,2732) 3293,2563 3301,2555 C22.1@3328.5,2555 ; C11.1@3338.5,720.79 3338.5,636.5 3370.31,604.69 v1(3655,604.69) ; v1(3410,910) 3435,910 v1(3700,1175) 3650,1225 v1(3650,1260) 3650,1372.8 v1(3645,1367.8) ; v1(3655,355) v1(3655,486.57) v1(3655,604.69) ; v1(3780,2635) 3408.5,2635 C22.1@3328.5,2555 ; v1(4581.54,737.83) 4578.7,735 v1(4463.43,735) 4454.2,744.23 v1(4355,744.23) 4350.77,740 v1(4240,740) 4200,740 4064.69,604.69 v1(3655,604.69) ; M6.27@4583.57,818.85 4583.57,779 4613.57,749 4710,749 4733,772 ; M6.24@4733.57,818.85 4733.57,772.57 4733,772 ; 4983.57,773.57 4959,749 4756,749 4733,772 ; M6.19@4983.57,818.85 4983.57,773.6 5008.17,749 5503.57,749 5533.57,779 M6.8@5533.57,818.85 M6.7@5583.57,818.85 M6.6@5633.57,818.85 M6.5@5683.57,818.85 5683.57,859 5717.57,893 5947,893 v2(6355,485) 6380,460 JP19.2@6790,460 ; JP_Ser.4@5155,2565 5233.57,2643.57 M6.92@5233.57,2787.36 5233.57,2801.87 5250.35,2818.65 5250.35,2820.08 5345.27,2915 v2(5560,2915) ; V0.1@5460,2279.45 5530.55,2279.45 JP_JTAG.6@5675,2135 5806.9,2003.1 M6.119@6017.82,2003.1 ; 974.5,269 975,268.5 1298.5,268.5 1299,269 ; 974.5,269 1299,269 ; 985,595 1365,595 ; 1299,269 1395,365 1395,565 ; 1365,595 1380,595 ; 1365,595 1395,565 ; 1380,595 1431,595 1535,699 M2.4@1535,1040 1487,1088 1487,1372 1503,1388 ; 1380,595 1395,580 1395,565
NetC0_2: C0.2 M4.17 R1.1 R2.2 | length 618.1
  Bottom Layer w10: R2.2@542.4,535 608.5,535 R1.1@613.5,540 ; M4.17@785,745 785,711.5 R1.1@613.5,540 ; C0.2@844.96,540 839.96,540 795.24,495.28 795.24,495 670,495 625,540 R1.1@613.5,540
NetC6_2: C6.2 T1.7 | length 95
  Top Layer w10: T1.7@4340,525.35 T1.7@4345.31,520.04 C6.2@4345.31,607.56
NetC7_2: C7.2 T1.10 | length 84.4
  Top Layer w10: C7.2@4225,603.5 4225,562.2 4227.2,560 T1.10@4227.2,520.04
NetC8_2: C8.2 T2.1 | length 94
  Top Layer w10: T2.1@3405.04,368.46 3418.5,355 C8.2@3493.5,355
NetC9_2: C9.2 T2.4 | length 89.1
  Top Layer w10: T2.4@3405.04,486.57 3406.61,485 C9.2@3493.5,485
NetC10_2: C10.2 T2.7 | length 88.6
  Top Layer w10: T2.7@3405.04,604.69 3405.35,605 C10.2@3493.5,605
NetC11_2: C11.2 T2.10 | length 192
  Top Layer w10: T2.10@3411.5,720.79 3407.83,720 T2.10@3405.04,722.8 3497.99,722.8 v1(3500,720.79)
  Bottom Layer w10: C11.2@3411.5,720.79 v1(3500,720.79)
NetC12_2: C12.2 T3.1 | length 59
  Top Layer w10: C12.2@3403.5,975 3405.04,976.54 T3.1@3405.04,1023.46 T3.1@3412,1016.5
NetC13_2: C13.2 T3.4 | length 106.7
  Top Layer w10: T3.4@3406.61,1140 T3.4@3405.04,1141.57 3507.24,1141.57 C13.2@3508.81,1140
NetC14_2: C14.2 T3.7 | length 103.5
  Top Layer w10: T3.7@3405.04,1259.69 C14.2@3508.5,1259.69
NetC15_2: C15.2 T3.10 | length 103.5
  Top Layer w10: T3.10@3405.04,1377.8 C15.2@3508.5,1377.8
NetC16_2: C16.2 T4.1 | length 101.2
  Top Layer w10: T4.1@3405.04,1678.15 3484.85,1678.15 C16.2@3500,1663
NetC17_2: C17.2 T4.4 | length 106.3
  Top Layer w10: T4.4@3405.04,1796.26 3501.66,1796.26 C17.2@3508.5,1803.1
NetC18_2: C18.2 T4.7 | length 107.8
  Top Layer w10: T4.7@3405.04,1914.37 C18.2@3504.13,1914.37 ; C18.2@3506.65,1914.37 C18.2@3504.13,1914.37 ; C18.2@3508.5,1910 C18.2@3504.13,1914.37
NetC19_2: C19.2 T4.10 | length 104.5
  Top Layer w10: T4.10@3405.04,2032.48 3506.02,2032.48 C19.2@3508.5,2030
NetC20_2: C20.2 T5.1 | length 59
  Top Layer w10: T5.1@3405.04,2318.46 3410,2313.5 C20.2@3410,2261.5
NetC21_2: C21.2 T5.4 | length 203.5
  Top Layer w10: T5.4@3405.04,2436.57 3488.43,2436.57 v1(3490,2435)
  Bottom Layer w10: v1(3490,2435) 3490,2337.13 C21.2@3504.13,2323
NetC22_2: C22.2 T5.7 | length 176.2
  Top Layer w10: T5.7@3405.04,2554.69 3489.05,2554.69 v1(3490.63,2553.1)
  Bottom Layer w10: C22.2@3401.5,2555 3403.4,2553.1 v1(3490.63,2553.1)
NetC23_2: C23.2 T5.10 | length 244.1
  Top Layer w10: T5.10@3405.04,2672.8 3543.15,2672.8 3580.94,2635 C23.2@3633.5,2635